# Altium PCB MiniPC.PcbDoc (part 7 of 22)
Units mm, origin at the board's own origin, x right, y up, seen from the top; angles counter-clockwise.
Board outline 175 x 155 mm, 16 copper layers (1_Top, 2_int1_(gnd), 3_int2_(power), 4_int3_(gnd), 5_int4_(sign), 6_int5_(power), 7_int6_(sign), 8_int7_(power), 9_int8_(gnd), 10_int9_(sign), 11_int10_(gnd), 12_int11_(sign), 13_int12_(gnd), 14_int13_(power), 15_int14_(gnd), 16_Bottom), stack 2.008 mm thick; 1046 components, 837 nets, 6010 pads, 4016 vias.
Unrouted connection lines stored in the file: 564.
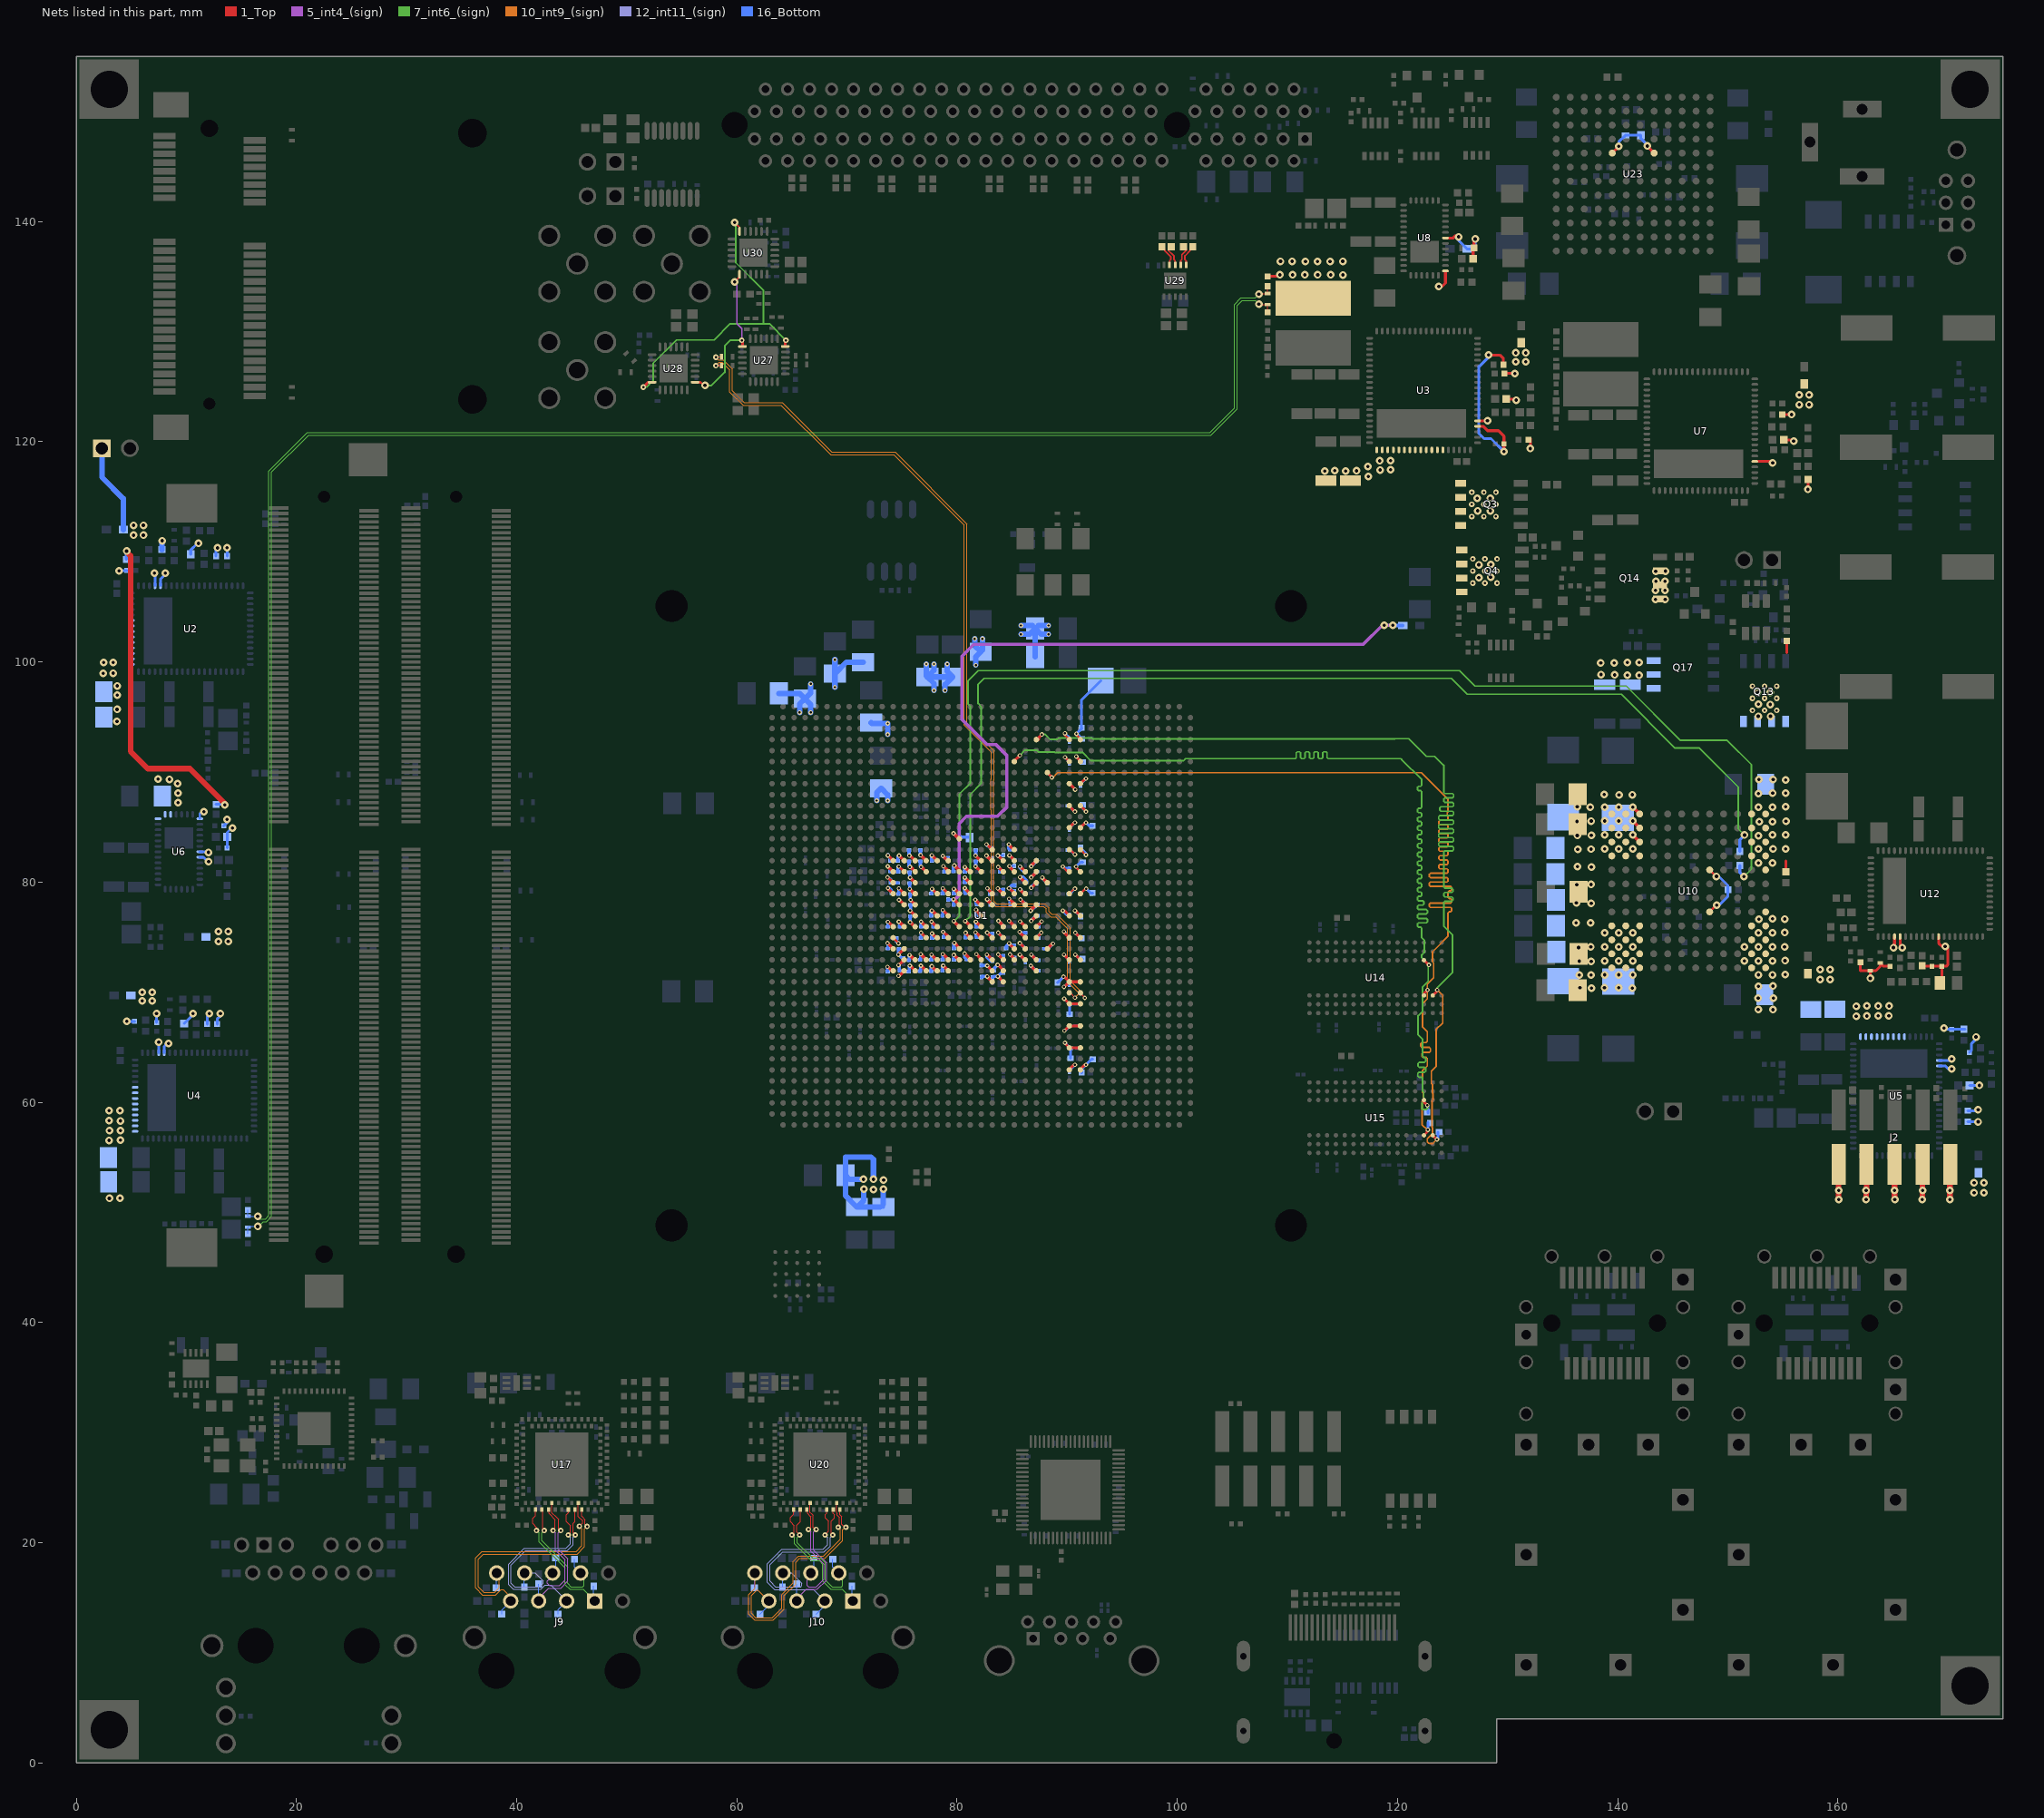
[diagram p21: the nets of this part, all layers, seen from the top]

## Via types
v1: diameter 0.4, hole 0.2, 1_Top to 16_Bottom, tented both sides, 1658 vias
v2: diameter 0.5, hole 0.2, 1_Top to 16_Bottom, tented both sides, 1014 vias
v3: diameter 0.7, hole 0.3, 1_Top to 16_Bottom, tented both sides, 915 vias
v4: diameter 0.6, hole 0.2, 1_Top to 16_Bottom, tented both sides, 278 vias
v5: diameter 0.4, hole 0.2, 1_Top to 16_Bottom, 100 vias
v6: diameter 0.4/0/0/0/0/0/0/0/0/0/0/0/0/0/0/0.4 (per signal layer), hole 0.2, 1_Top to 16_Bottom, tented both sides, 18 vias
v7: diameter 0.4/0/0/0/0/0/0/0/0/0/0/0.4/0.4/0.4/0.4/0.4 (per signal layer), hole 0.2, 1_Top to 16_Bottom, tented both sides, 16 vias
v8: diameter 0.5, hole 0.254, 1_Top to 16_Bottom, tented both sides, 15 vias
v9: diameter 0.5, hole 0.2, 1_Top to 16_Bottom, 2 vias

## Nets (pads, with @x,y where several pads share a name; then routed paths per layer and width w, separated by ;. In a path a pad name is that pad's centre, name@x,y a point inside that pad or via, vN(x,y) a via of type N, cw(c..) or ccw(c..) an arc to the next point about the centre after c; other vN are vias at no path point) (continued)
A10_0V9: C80.1 C81.1 C82.2 C83.2 C84.2 C87.1 C88.1 C89.2 C90.2 C91.2 C92.2 C93.2 C132.2 C133.2 C134.2 C135.2 C136.2 C137.2 C138.2 C139.2 C140.2 C141.2 C147.2 C148.2 C149.2 C150.2 C151.2 C152.2 C153.2 C154.2 C155.2 C156.2 C157.2 C158.2 C159.2 C160.2 C168.2 C169.2 C170.2 C171.2 C172.2 C173.2 C174.2 C175.2 C176.2 C177.2 C178.2 C179.2 C180.2 C181.2 C182.2 C183.2 C184.2 C185.2 C186.2 C187.2 C188.2 C189.2 C190.2 C191.2 C192.2 C193.2 C194.2 C195.2 C196.2 C197.2 C198.2 C199.2 C200.2 C201.2 C202.2 C203.2 C204.2 C205.2 C206.2 C207.2 C208.2 C209.2 C210.2 C211.2 C212.2 C213.2 C214.2 C215.2 C216.2 C217.2 C218.2 C219.2 C220.2 C221.2 C222.2 C223.2 C224.2 C225.2 C226.2 C227.2 C228.2 C229.2 C230.2 C231.2 C232.2 C233.2 C234.2 C235.2 C236.2 C237.2 C238.2 C239.2 C240.2 C241.2 C242.2 C243.2 C244.2 C245.2 C246.2 C247.2 C248.2 C249.2 C250.2 C251.2 C252.2 C253.2 C254.2 C255.2 C256.2 C257.2 C258.2 C259.2 C260.2 C261.2 C262.2 C263.2 U1.AA12 U1.AA13 U1.AA14 U1.AA15 U1.AA16 U1.AA20 U1.AA22 U1.AA23 U1.AA24 U1.AA25 U1.AB12 U1.AB15 U1.AB16 U1.AB17 U1.AB19 U1.AB20 U1.AB21 U1.AB22 U1.AB24 U1.AB25 U1.AC12 U1.AC13 U1.AC18 U1.AC23 U1.AC24 U1.AC26 U1.AD13 U1.AD14 U1.AD15 U1.AD16 U1.AD17 U1.AD18 U1.AD19 U1.AD20 U1.AD21 U1.AD22 U1.AD23 U1.AD24 U1.AD25 U1.AE12 U1.AE13 U1.AE14 U1.AE15 U1.AE16 U1.AE17 U1.AE21 U1.AE22 U1.AE25 U1.AF21 U1.AF22 U1.P21 U1.P23 U1.R12 U1.R13 U1.R14 U1.R15 U1.R16 U1.R17 U1.R20 U1.R21 U1.R22 U1.R23 U1.R25 U1.T12 U1.T13 U1.T14 U1.T15 U1.T17 U1.T18 U1.T19 U1.T20 U1.T22 U1.T23 U1.T24 U1.T25 U1.U12 U1.U14 U1.U19 U1.U24 U1.U25 U1.U26 U1.V12 U1.V13 U1.V14 U1.V16 U1.V17 U1.V18 U1.V19 U1.V21 U1.V22 U1.V23 U1.V24 U1.W13 U1.W14 U1.W20 U1.W21 U1.W23 U1.W24 U1.W25 U1.Y14 U1.Y16 U1.Y17 U1.Y20 U1.Y25 U10.A1 U10.A2 U10.A3 U10.B1 U10.B2 U10.B3 U10.C1 U10.C2 U10.C3 U10.D1 U10.D2 U10.D3 U10.J1 U10.J2 U10.J3 U10.K1 U10.K2 U10.K3 U10.L1 U10.L2 U10.L3 U10.M1 U10.M2 U10.M3 | length 191.1
  1_Top w0.25: U1.AB12@74.194,74.939 74.679,74.455 v1(74.679,74.429) ; v1(74.7,81.4) 74.733,81.4 U1.T13@75.194,80.939
  1_Top w0.3: v1(73.675,80.425) 73.708,80.425 U1.U12@74.194,79.939 ; v1(73.679,72.304) 73.721,72.304 74.086,71.939 U1.AE12@74.194,71.939 ; v1@73.68,74.454 U1.AC12@74.194,73.939 ; v1(73.7,81.425) 74.186,80.939 U1.T12@74.194,80.939 ; v1(73.704,76.379) 73.771,76.379 74.194,75.956 U1.AA12@74.194,75.939 ; v1(73.708,82.425) U1.R12@74.194,81.939 ; v1(73.725,79.45) 73.725,79.408 U1.V12@74.194,78.939 ; v1(74.679,71.478) 74.733,71.478 U1.AE13@75.194,71.939 ; v1(74.679,72.454) 74.708,72.454 U1.AD13@75.194,72.939 ; v1(74.7,76.4) 74.733,76.4 U1.AA13@75.194,75.939 ; v1(74.704,79.429) U1.V13@75.194,78.939 ; v1@74.721,73.404 v1(74.679,73.404) 74.679,73.424 U1.AC13@75.194,73.939 ; v1(74.725,78.375) 74.758,78.375 U1.W13@75.194,77.939 ; v1(74.729,82.404) U1.R13@75.194,81.939 ; v1(75.665,82.4) 75.733,82.4 U1.R14@76.194,81.939 ; v1(75.679,73.354) 75.721,73.354 76.136,72.939 U1.AD14@76.194,72.939 ; v1(75.7,79.375) 76.136,78.939 U1.V14@76.194,78.939 ; v1(75.704,72.404) 75.73,72.404 U1.AE14@76.194,71.939 ; v1(75.704,81.379) 75.754,81.379 U1.T14@76.194,80.939 ; v1(75.725,76.35) 75.75,76.35 76.161,75.939 U1.AA14@76.194,75.939 ; v1(75.725,77.4) 75.733,77.4 U1.Y14@76.194,76.939 ; v1(75.725,80.4) 75.733,80.4 U1.U14@76.194,79.939 ; v1(75.775,78.375) 75.775,78.358 U1.W14@76.194,77.939 ; v1(76.675,82.45) 76.683,82.45 U1.R15@77.194,81.939 ; v1(76.7,73.45) 76.7,73.433 U1.AD15@77.194,72.939 ; v1(76.704,72.404) 76.73,72.404 U1.AE15@77.194,71.939 ; v1(76.725,75.4) 77.186,74.939 U1.AB15@77.194,74.939 ; v1(76.725,76.4) 77.186,75.939 U1.AA15@77.194,75.939 ; v1(76.729,81.379) 76.746,81.379 77.186,80.939 U1.T15@77.194,80.939 ; v1(77.675,73.4) 78.136,72.939 U1.AD16@78.194,72.939 ; v1(77.675,76.4) 78.136,75.939 U1.AA16@78.194,75.939 ; v1(77.7,72.35) 78.111,71.939 U1.AE16@78.194,71.939 ; v1(77.7,77.4) 77.733,77.4 U1.Y16@78.194,76.939 ; v1(77.7,82.425) 78.186,81.939 U1.R16@78.194,81.939 ; v1(77.725,75.325) 78.111,74.939 U1.AB16@78.194,74.939 ; v1(77.725,79.375) 78.161,78.939 U1.V16@78.194,78.939 ; v1(78.7,77.45) 79.194,76.956 U1.Y17@79.194,76.939 ; v1(78.7,79.425) 78.708,79.425 U1.V17@79.194,78.939 ; v1(78.7,82.375) 79.136,81.939 U1.R17@79.194,81.939 ; v1(78.704,73.454) 78.721,73.454 79.194,72.981 U1.AD17@79.194,72.939 ; v1(78.725,75.475) 78.75,75.475 79.194,75.031 U1.AB17@79.194,74.939 ; v1(78.729,72.404) 78.746,72.404 79.194,71.956 U1.AE17@79.194,71.939 ; v1(78.75,81.45) 79.194,81.006 U1.T17@79.194,80.939 ; v1(79.704,73.379) 79.721,73.379 80.161,72.939 U1.AD18@80.194,72.939 ; v1(79.704,79.379) 79.746,79.379 80.186,78.939 U1.V18@80.194,78.939 ; v1(79.75,74.475) 80.194,74.031 U1.AC18@80.194,73.939 ; v1(79.75,81.5) 80.194,81.056 U1.T18@80.194,80.939 ; v1(80.679,73.504) 80.696,73.504 81.194,73.006 U1.AD19@81.194,72.939 ; v1(80.7,79.45) 80.7,79.433 U1.V19@81.194,78.939 ; v1(80.7,80.4) 81.161,79.939 U1.U19@81.194,79.939 ; v1(80.7,81.35) 81.111,80.939 U1.T19@81.194,80.939 ; v1(80.775,75.4) 80.775,75.358 U1.AB19@81.194,74.939 ; v1(81.65,78.4) 82.111,77.939 U1.W20@82.194,77.939 ; v1(81.675,75.425) 81.708,75.425 U1.AB20@82.194,74.939 ; v1(81.675,81.425) 82.161,80.939 U1.T20@82.194,80.939 ; v1(81.675,82.4) 82.136,81.939 U1.R20@82.194,81.939 ; v1(81.7,76.4) 82.161,75.939 U1.AA20@82.194,75.939 ; v1(81.725,77.475) 81.725,77.408 U1.Y20@82.194,76.939 ; v1(81.75,73.45) 82.194,73.006 U1.AD20@82.194,72.939 ; v1(82.675,82.4) 82.675,82.375 83.111,81.939 U1.R21@83.194,81.939 ; v1(82.675,83.425) 82.708,83.425 U1.P21@83.194,82.939 ; v1(82.7,73.4) 82.733,73.4 U1.AD21@83.194,72.939 ; v1(82.725,71.425) 82.725,71.408 U1.AF21@83.194,70.939 ; v1(82.725,72.4) 82.733,72.4 U1.AE21@83.194,71.939 ; v1(82.725,75.4) 82.733,75.4 U1.AB21@83.194,74.939 ; v1(82.725,78.425) 82.725,78.375 83.161,77.939 U1.W21@83.194,77.939 ; v1(82.75,79.425) 82.75,79.383 U1.V21@83.194,78.939 ; v1(83.679,72.479) 83.721,72.479 84.194,72.006 U1.AE22@84.194,71.939 ; v1(83.7,71.425) 83.708,71.425 U1.AF22@84.194,70.939 ; v1(83.7,82.4) 83.733,82.4 U1.R22@84.194,81.939 ; v1(83.704,79.429) 83.704,79.396 84.161,78.939 U1.V22@84.194,78.939 ; v1(83.725,73.425) 84.194,72.956 U1.AD22@84.194,72.939 ; v1(83.725,75.4) 84.186,74.939 U1.AB22@84.194,74.939 ; v1(83.725,81.375) 84.161,80.939 U1.T22@84.194,80.939 ; v1(83.75,76.475) 84.194,76.031 U1.AA22@84.194,75.939 ; v1(84.7,83.425) 84.7,83.375 85.136,82.939 U1.P23@85.194,82.939 ; v1(84.704,79.429) 84.771,79.429 85.194,79.006 U1.V23@85.194,78.939 ; v1(84.725,76.475) 85.194,76.006 U1.AA23@85.194,75.939 ; v1(84.725,78.475) 85.194,78.006 U1.W23@85.194,77.939 ; v1(84.729,74.429) 84.729,74.404 U1.AC23@85.194,73.939 ; v1(84.75,81.45) 84.75,81.383 U1.T23@85.194,80.939 ; v1(84.75,82.425) 85.194,81.981 U1.R23@85.194,81.939 ; v1(84.8,73.425) 85.194,73.031 U1.AD23@85.194,72.939 ; v1(85.675,75.475) 85.675,75.458 U1.AB24@86.194,74.939 ; v1(85.7,73.4) 86.161,72.939 U1.AD24@86.194,72.939 ; v1(85.7,74.45) 85.7,74.433 U1.AC24@86.194,73.939 ; v1(85.725,76.425) 86.194,75.956 U1.AA24@86.194,75.939 ; v1(85.725,79.35) 85.725,79.3 86.086,78.939 U1.V24@86.194,78.939 ; v1(85.725,80.45) 85.725,80.408 U1.U24@86.194,79.939 ; v1(85.725,81.4) 85.733,81.4 U1.T24@86.194,80.939 ; v1(85.754,78.404) 85.771,78.404 86.194,77.981 U1.W24@86.194,77.939 ; v1(86.675,77.4) 86.675,77.42 U1.W25@87.194,77.939 ; v1(86.7,72.4) 87.161,71.939 U1.AE25@87.194,71.939 ; v1(86.725,76.475) 86.73,76.475 U1.Y25@87.194,76.939 ; v1(86.725,79.475) 86.73,79.475 U1.U25@87.194,79.939 ; v1(86.725,80.425) 87.194,80.894 U1.T25@87.194,80.939 ; v1(86.725,81.425) 86.725,81.47 U1.R25@87.194,81.939 ; v1(86.733,73.4) U1.AD25@87.194,72.939 ; U1.AB25@87.194,74.939 87.65,75.395 v1(87.65,75.4) ; U1.AA25@87.194,75.939 87.194,75.944 v1(87.675,76.425) ; v1(87.733,80.4) U1.U26@88.194,79.939 ; U1.AC26@88.194,73.939 88.655,74.4 v1(88.7,74.4) ; v3(141.36,84.275) U10.C3@141.995,83.64 ; v3(141.36,85.545) U10.B3@141.995,84.91 ; v3(141.36,86.815) U10.A3@141.995,86.18 ; U10.D3@141.815,82.37 U10.D3@141.995,82.37
  16_Bottom w0.17: v1(82.675,82.4) 82.915,82.16 C184.2@83.2,82.16 ; v1(83.7,82.4) 84.14,82.4 C175.2@84.2,82.46 ; v1(84.75,81.45) 85.19,81.45 C202.2@85.2,81.46
  16_Bottom w0.3: C137.2@73,50.475 C137.2@73.3,50.475 C137.2@73.3,50.75 ; v1(73.675,80.425) 73.745,80.425 73.985,80.185 C244.2@73.985,79.95 74.01,79.925 C245.2@74.615,79.925 ; v1(73.679,72.304) 73.685,72.297 C198.2@73.685,71.875 ; v1(73.679,74.454) 73.71,74.422 C153.2@73.71,73.95 ; v1(73.7,81.425) 73.935,81.19 C231.2@73.935,80.95 ; v1(73.704,76.379) 73.71,76.372 C240.2@73.71,75.925 ; v1@73.708,82.492 v1(73.708,82.425) 73.708,82.356 73.96,82.104 C220.2@73.96,81.925 ; v1(73.725,79.45) 73.845,79.45 74.06,79.235 C234.2@74.06,78.975 ; C258.2@74.485,74.908 74.485,74.622 v1(74.679,74.429) ; C221.2@74.615,81.925 74.615,82.29 v1(74.729,82.404) ; C241.2@74.64,80.925 74.64,81.34 v1(74.7,81.4) ; C218.2@74.665,78.925 74.704,78.964 v1(74.704,79.429) ; v1(74.679,72.454) 74.75,72.382 74.75,71.96 C238.2@74.785,71.925 ; v1(74.7,76.4) 74.785,76.315 C219.2@74.785,75.95 ; C237.2@74.735,73.95 74.679,73.894 v1(74.679,73.404) 74.997,73.085 C197.2@75.15,73.085 ; C199.2@75.59,71.875 75.67,71.955 75.67,72.37 v1(75.704,72.404) ; C211.2@75.615,72.9 75.679,72.964 v1(75.679,73.354) ; C243.2@75.64,81.9 75.64,81.443 v1(75.704,81.379) ; C235.2@75.64,82.9 75.64,82.425 v1(75.665,82.4) ; C246.2@75.69,79.9 75.69,79.385 v1(75.7,79.375) ; C206.2@75.69,80.9 75.69,80.435 v1(75.725,80.4) ; v1(75.725,76.35) 75.74,76.365 C257.2@75.74,76.9 ; v1(75.725,77.4) 75.79,77.465 C248.2@75.79,77.925 ; C247.2@75.74,78.9 75.74,78.41 v1(75.775,78.375) ; C225.2@76.615,71.9 76.695,71.98 76.695,72.395 v1(76.704,72.404) ; C212.2@76.64,72.925 76.7,72.985 v1(76.7,73.45) ; C207.2@76.665,81.9 76.665,81.443 v1(76.729,81.379) ; C256.2@76.665,82.9 76.665,82.46 v1(76.675,82.45) ; C210.2@76.715,74.925 76.725,74.935 v1(76.725,75.4) ; v1(76.725,76.4) 76.725,75.965 C208.2@76.74,75.95 ; C250.2@77.64,71.9 77.64,72.29 v1(77.7,72.35) ; C236.2@77.64,76.925 77.64,77.34 v1(77.7,77.4) ; C226.2@77.665,72.925 77.665,73.39 v1(77.675,73.4) ; C205.2@77.665,78.95 77.725,79.01 v1(77.725,79.375) ; v1(77.675,76.4) 77.84,76.235 C196.2@77.84,75.95 ; v1(77.7,82.425) 77.7,81.94 C242.2@77.715,81.925 ; v1(77.725,75.325) 77.74,75.31 C239.2@77.74,74.9 ; C251.2@78.665,71.95 78.665,72.34 v1(78.729,72.404) ; C209.2@78.665,76.925 78.7,76.96 v1(78.7,77.45) ; C213.2@78.69,72.95 78.69,73.44 v1(78.704,73.454) ; C191.2@78.69,78.95 78.69,79.415 v1(78.7,79.425) ; v1(78.7,82.375) 78.91,82.165 C204.2@79.175,82.165 ; v1(78.725,75.475) 78.815,75.385 C222.2@78.815,75 ; v1(78.75,81.45) 78.86,81.34 C232.2@78.86,80.925 ; C233.2@79.665,80.95 79.665,81.415 v1(79.75,81.5) ; v1(79.704,73.379) 79.715,73.367 C252.2@79.715,72.95 ; v1(79.704,79.379) 79.715,79.368 C194.2@79.715,78.95 ; C159.2@79.715,73.975 79.715,74.44 v1(79.75,74.475) ; v1(80.679,73.504) 80.679,73.161 C255.2@80.865,72.975 ; v1(80.7,79.45) 80.7,79.04 C176.2@80.765,78.975 ; v1(80.7,80.4) 80.7,79.99 C171.2@80.715,79.975 ; v1(80.7,81.35) 80.7,80.94 C173.2@80.715,80.925 ; C214.2@80.765,74.95 80.775,74.96 v1(80.775,75.4) ; v1(81.65,78.4) 81.7,78.35 81.7,78.065 C203.2@81.79,77.975 ; v1(81.675,75.425) 81.725,75.375 81.725,75.04 C249.2@81.79,74.975 ; v1(81.675,81.425) 81.69,81.44 C188.2@81.69,81.9 ; v1(81.675,82.4) 81.69,82.415 C190.2@81.69,82.9 ; v1(81.7,76.4) 81.7,75.99 C160.2@81.765,75.925 ; v1(81.725,77.475) 81.725,77.015 C224.2@81.765,76.975 ; C253.2@82.2,72.435 82.69,72.435 v1(82.725,72.4) ; C200.2@82.225,71.36 82.29,71.425 v1(82.725,71.425) ; v1(82.675,83.425) 82.675,83.411 82.996,83.09 C193.2@83.175,83.09 ; v1(82.7,73.4) 82.7,73.161 83.021,72.84 C158.2@83.2,72.84 ; v1(82.725,75.4) 82.84,75.285 C227.2@83.2,75.285 ; v1(82.725,78.425) 83.065,78.085 C177.2@83.065,77.925 ; v1(82.75,79.425) 83.015,79.16 C179.2@83.015,78.9 ; C195.2@83.225,71.335 83.315,71.425 v1(83.7,71.425) 84.04,71.765 C157.2@84.2,71.765 ; C155.2@83.335,71.925 83.335,72.134 v1(83.679,72.479) ; v1@83.7,82.361 v1(83.7,82.4) ; v1(83.704,79.429) 83.848,79.285 C183.2@84.2,79.285 ; v1(83.725,73.425) 83.865,73.285 C260.2@84.2,73.285 ; v1(83.725,75.4) 84.115,75.01 C230.2@84.115,74.95 ; v1(83.725,81.375) 83.91,81.19 C187.2@83.91,80.925 ; v1(83.75,76.475) 84.19,76.035 C254.2@84.19,75.95 ; C154.2@84.46,73.975 84.46,74.159 v1(84.729,74.429) 84.943,74.215 C262.2@85.2,74.215 ; v1(84.7,83.425) 84.7,83.04 C170.2@84.815,82.925 ; v1(84.725,78.475) 84.8,78.4 84.8,78.035 C185.2@84.86,77.975 ; v1(84.75,82.425) 85.1,82.075 C172.2@85.14,82.075 ; v1(84.8,73.425) 84.805,73.425 85.12,73.11 C156.2@85.225,73.11 ; C181.2@85.2,79.185 85.033,79.185 84.789,79.429 v1(84.704,79.429) 84.965,79.69 C174.2@85.225,79.69 ; v1(85.675,75.475) 85.765,75.385 C216.2@86.225,75.385 ; v1(85.7,73.4) 86.2,72.9 C259.2@86.2,72.735 ; v1(85.7,74.45) 86.175,73.975 C263.2@86.19,73.975 ; v1(85.725,79.35) 86.075,79 C178.2@86.14,79 ; v1(85.725,80.45) 85.975,80.45 86.26,80.165 C201.2@86.26,79.975 ; v1(85.725,81.4) 85.725,81.286 86.021,80.99 C192.2@86.2,80.99 ; v1(85.754,78.404) 85.771,78.404 86.175,78 C182.2@86.175,77.91 ; v1(86.675,77.4) 86.74,77.4 C168.2@87.29,77.95 ; v1(86.7,72.4) 87.15,71.95 C223.2@87.39,71.95 ; v1(86.725,76.475) 87.175,76.925 C217.2@87.29,76.925 ; v1(86.725,79.475) 86.725,79.539 87.021,79.835 C180.2@87.2,79.835 ; v1(86.725,80.425) 87.25,80.95 C169.2@87.265,80.95 ; v1(86.725,81.425) 87.215,81.915 C189.2@87.215,81.95 ; v1(86.733,73.4) 87.233,72.9 C261.2@87.39,72.9 ; C228.2@87.365,74.925 87.365,75.115 v1(87.65,75.4) ; C215.2@87.39,75.925 87.39,76.14 v1(87.675,76.425) ; v1(87.733,80.4) 87.733,80.352 C186.2@88.2,79.885 ; C229.2@87.91,73.95 88.25,73.95 v1(88.7,74.4)
  16_Bottom w0.5: C138.2@63.825,97.13 65.695,97.13 C140.2@66.175,96.65 ; v1(65.7,95.4) 65.7,96.175 C140.2@66.175,96.65 ; v1(66.7,95.4) 66.7,96.125 C140.2@66.175,96.65 ; v1(66.7,98) 66.7,97.175 C140.2@66.175,96.65 ; v1(68.9,97.7) C148.2@68.9,98.925 ; v1(68.9,100.2) C148.2@68.9,98.925 ; C152.2@71.46,99.975 69.95,99.975 C148.2@68.9,98.925 ; v3(71.5,53) 70.225,53 C151.2@69.85,53.375 ; v3(71.525,52.1) 71.525,51.1 C136.2@70.9,50.475 ; C147.2@72.194,94.464 72.258,94.4 v1(73.7,94.4) v1(73.7,93.4) ; v3(72.4,53) 72.4,54.8 72.175,55.025 69.85,55.025 C151.2@69.85,53.375 ; v1(72.7,87.4) 72.7,88.125 C141.2@73.1,88.525 73.7,87.925 v1(73.7,87.4) ; C137.2@73,50.475 C136.2@70.9,50.475 ; C137.2@73.3,50.75 v3(73.3,52.1) ; v1(77.2,99.8) 77.2,98.725 C150.2@77.3,98.625 ; v1(77.9,97.4) 77.9,98.025 C150.2@77.3,98.625 ; v1(77.9,99.8) 77.9,99.225 C150.2@77.3,98.625 ; v1(78.9,97.4) 78.9,97.925 C149.2@79.6,98.625 ; v1(79.1,99.8) 79.1,99.125 C149.2@79.6,98.625 ; v1(81.6,102.1) 81.6,101.475 C133.2@82.15,100.925 ; v1(81.7,99.7) 81.7,100.475 C133.2@82.15,100.925 ; v1(82.3,102.1) 82.3,101.075 C133.2@82.15,100.925 ; v1(85.8,102.5) 86.575,102.5 C134.2@87.1,103.025 ; v1(85.8,103.3) 86.825,103.3 C134.2@87.1,103.025 ; C139.2@87.095,100.44 87.1,100.445 C134.2@87.1,103.025 ; v1(88.3,102.5) 87.625,102.5 C134.2@87.1,103.025 ; v1(88.3,103.3) 87.375,103.3 C134.2@87.1,103.025 ; C151.2@69.85,53.375 69.85,51.525 C136.2@70.9,50.475 ; C150.2@77.3,98.625 C149.2@79.6,98.625
  other v3: 72.4,52.075 73.325,52.95 137.63,70.35 141.33,70.37 136.56,70.39 138.79,70.4 140.1,70.4 136.49,71.57 137.58,71.55 138.82,71.575 140.09,71.575 141.36,71.575 137.59,72.8 136.51,72.82 138.82,72.845 140.09,72.845 141.36,72.845 136.44,74.05 137.55,74.1 138.82,74.115 140.09,74.115 141.36,74.115 138.82,75.385 140.09,75.385 141.36,75.385 136.22,76.31 137.52,76.3 137.59,78.08 136.24,78.12 136.28,79.77 137.56,79.78 137.6,81.37 136.33,81.39 136.36,82.96 137.58,82.99 138.82,83.005 140.09,83.005 141.36,83.005 136.32,84.23 137.6,84.24 138.82,84.275 140.09,84.275 136.31,85.5 137.59,85.54 138.82,85.545 140.09,85.545 137.51,86.81 138.82,86.815 140.09,86.815 136.32,86.85 140.11,87.92 141.33,87.93 138.78,87.95
A10_0V95_EN: R31.2 R87.1 | length 30.6
  1_Top w0.5: v3(4.572,110.058) 4.572,109.988 4.928,109.632 4.928,91.872 6.5,90.3 10.32,90.3 13.5,87.12 v3(13.5,87)
  16_Bottom w0.25: R31.2@4.55,109.3 4.55,110.036 v3(4.572,110.058) ; R87.1@12.7,87.05 13.45,87.05 v3(13.5,87)
A10_1V0: C390.1 C391.2 C392.2 C393.2 C394.2 C395.2 C396.2 C397.2 C398.2 C399.2 C400.2 C401.2 C402.2 C403.2 C404.2 C405.2 C406.2 C407.2 C408.2 C409.2 C410.2 C411.2 C412.2 C413.2 C414.2 C415.2 C416.2 C417.2 C418.2 C419.2 C420.2 C421.2 C422.2 R42.1 R44.2 U1.AB28 U1.AB29 U1.AD28 U1.AD29 U1.AF28 U1.AF29 U1.AH28 U1.AH29 U1.AK28 U1.AK29 U1.AM28 U1.AM29 U1.AP28 U1.AP29 U1.D28 U1.D29 U1.F28 U1.F29 U1.H28 U1.H29 U1.K28 U1.K29 U1.M28 U1.M29 U1.P28 U1.P29 U1.T28 U1.T29 U1.V28 U1.V29 U1.Y28 U1.Y29 | length 55.6
  1_Top w0.2: v1(89.6,81.4) 90.061,80.939 U1.T28@90.194,80.939 ; U1.V28@90.194,78.939 90.655,79.4 v1(90.7,79.4) ; U1.P28@90.194,82.939 90.261,82.939 v1(90.7,82.5) ; v1(90.8,81.4) 90.8,81.333 U1.T29@91.194,80.939 ; U1.V29@91.194,78.939 91.655,79.4 v1(91.727,79.4) ; U1.P29@91.194,82.939 91.7,82.433 v1(91.7,82.467)
  1_Top w0.254: v1(89.6,77.4) 89.733,77.4 U1.Y28@90.194,76.939 ; v1(89.667,71.4) 89.733,71.4 U1.AF28@90.194,70.939 ; v1(89.7,70.475) 89.7,70.445 U1.AF28@90.194,70.939 ; v1(89.7,73.4) 90.161,72.939 U1.AD28@90.194,72.939 ; v1(89.7,75.5) 89.7,75.433 U1.AB28@90.194,74.939 ; v1(89.725,69.4) 89.733,69.4 U1.AH28@90.194,68.939 U1.AH29@91.194,68.939 ; v1(89.74,66.485) U1.AK28@90.194,66.939 U1.AK29@91.194,66.939 ; v1(89.8,65.4) 89.8,65.333 U1.AM28@90.194,64.939 U1.AM29@91.194,64.939 ; v1(89.8,91.333) U1.F28@90.194,90.939 ; v1(89.8,93.5) 89.8,93.333 U1.D28@90.194,92.939 ; U1.AP28@90.194,62.939 90.161,62.939 90.621,63.4 v1(90.7,63.4) ; U1.M28@90.194,84.939 90.655,85.4 v1(90.7,85.4) ; U1.K28@90.194,86.939 90.194,86.906 v1(90.7,86.4) ; U1.H28@90.194,88.939 90.725,88.408 v1(90.725,88.4) ; v1(90.7,77.4) 90.733,77.4 U1.Y29@91.194,76.939 ; v1(90.734,73.4) U1.AD29@91.194,72.939 ; v1(90.734,75.4) U1.AB29@91.194,74.939 ; v1(90.83,91.4) 90.83,91.37 91.194,91.006 U1.F29@91.194,90.939 ; v1(90.837,93.463) 90.837,93.377 90.83,93.37 91.194,93.006 U1.D29@91.194,92.939 ; U1.AP29@91.194,62.939 91.194,63.006 91.588,63.4 v1(91.7,63.4) ; U1.AF29@91.194,70.939 U1.AF28@90.194,70.939 ; U1.M29@91.194,84.939 91.655,85.4 v1(91.7,85.4) ; U1.K29@91.194,86.939 91.7,86.433 v1(91.7,86.4) ; U1.H29@91.194,88.939 91.655,89.4 v1(91.7,89.4) ; R44.2@108.21,135.01 109.18,135.01 v3(109.32,135.15)
  16_Bottom w0.254: C421.2@89.1,70.89 89.157,70.89 v1(89.667,71.4) ; v1(89.6,77.4) 89.96,77.04 C393.2@90.2,77.04 ; v1(89.6,81.4) 89.76,81.24 C396.2@90.2,81.24 ; v1(89.7,70.475) 89.885,70.66 C397.2@90.2,70.66 ; v1(89.7,73.4) 90.2,72.9 C401.2@90.2,72.76 ; v1(89.7,75.5) 90.2,75 C405.2@90.2,74.86 ; v1(89.725,69.4) 90.225,68.9 C406.2@90.24,68.9 90.21,68.87 C410.2@90.21,68 ; v1(89.74,66.485) 89.785,66.485 C402.2@90.24,66.939 ; v1(89.8,65.4) 90.31,64.89 C418.2@90.31,64 ; v1(89.8,91.333) 90.2,90.933 C399.2@90.2,90.76 ; v1(89.8,93.5) 90.2,93.1 C403.2@90.2,92.76 ; C392.2@90.06,78.9 90.2,78.9 v1(90.7,79.4) ; C400.2@90.06,82.9 90.3,82.9 v1(90.7,82.5) ; C391.2@90.06,86.925 90.175,86.925 v1(90.7,86.4) ; C394.2@90.2,62.76 90.2,62.9 v1(90.7,63.4) ; C404.2@90.2,84.76 90.2,84.9 v1(90.7,85.4) ; v1(90.7,77.4) 91.2,76.9 C409.2@91.2,76.89 ; v1(90.734,73.4) 91.123,73.01 C417.2@91.4,73.01 ; v1(90.734,75.4) 91.233,74.9 C413.2@91.31,74.9 ; v1(90.8,81.4) 91.2,81.8 C416.2@91.41,81.8 ; v1(90.83,91.4) 91.33,90.9 C415.2@91.41,90.9 ; C412.2@91.2,83.11 91.7,82.61 v1(91.7,82.467) ; C395.2@91.2,88.76 91.2,88.9 v1(91.7,89.4) ; C422.2@91.31,62.699 91.31,63.01 v1(91.7,63.4) 92.2,63.9 C414.2@92.31,63.9 ; C419.2@91.36,93 90.897,93.463 v1(90.837,93.463) 91.31,93.936 C407.2@91.31,94 91.273,94.037 91.273,96.508 C390.1@93.045,98.28 ; C411.2@91.41,87 91.41,86.69 v1(91.7,86.4) ; v1(91.7,85.4) 91.99,85.11 C408.2@92.3,85.11 ; v1(91.727,79.4) 92.117,79.01 C420.2@92.3,79.01